# Altium PCB HIVE_BOARD_PCB ASCII REV Project_PCB_Rev.Project_SCH_Rev.PcbDoc (part 1 of 9) (continued)
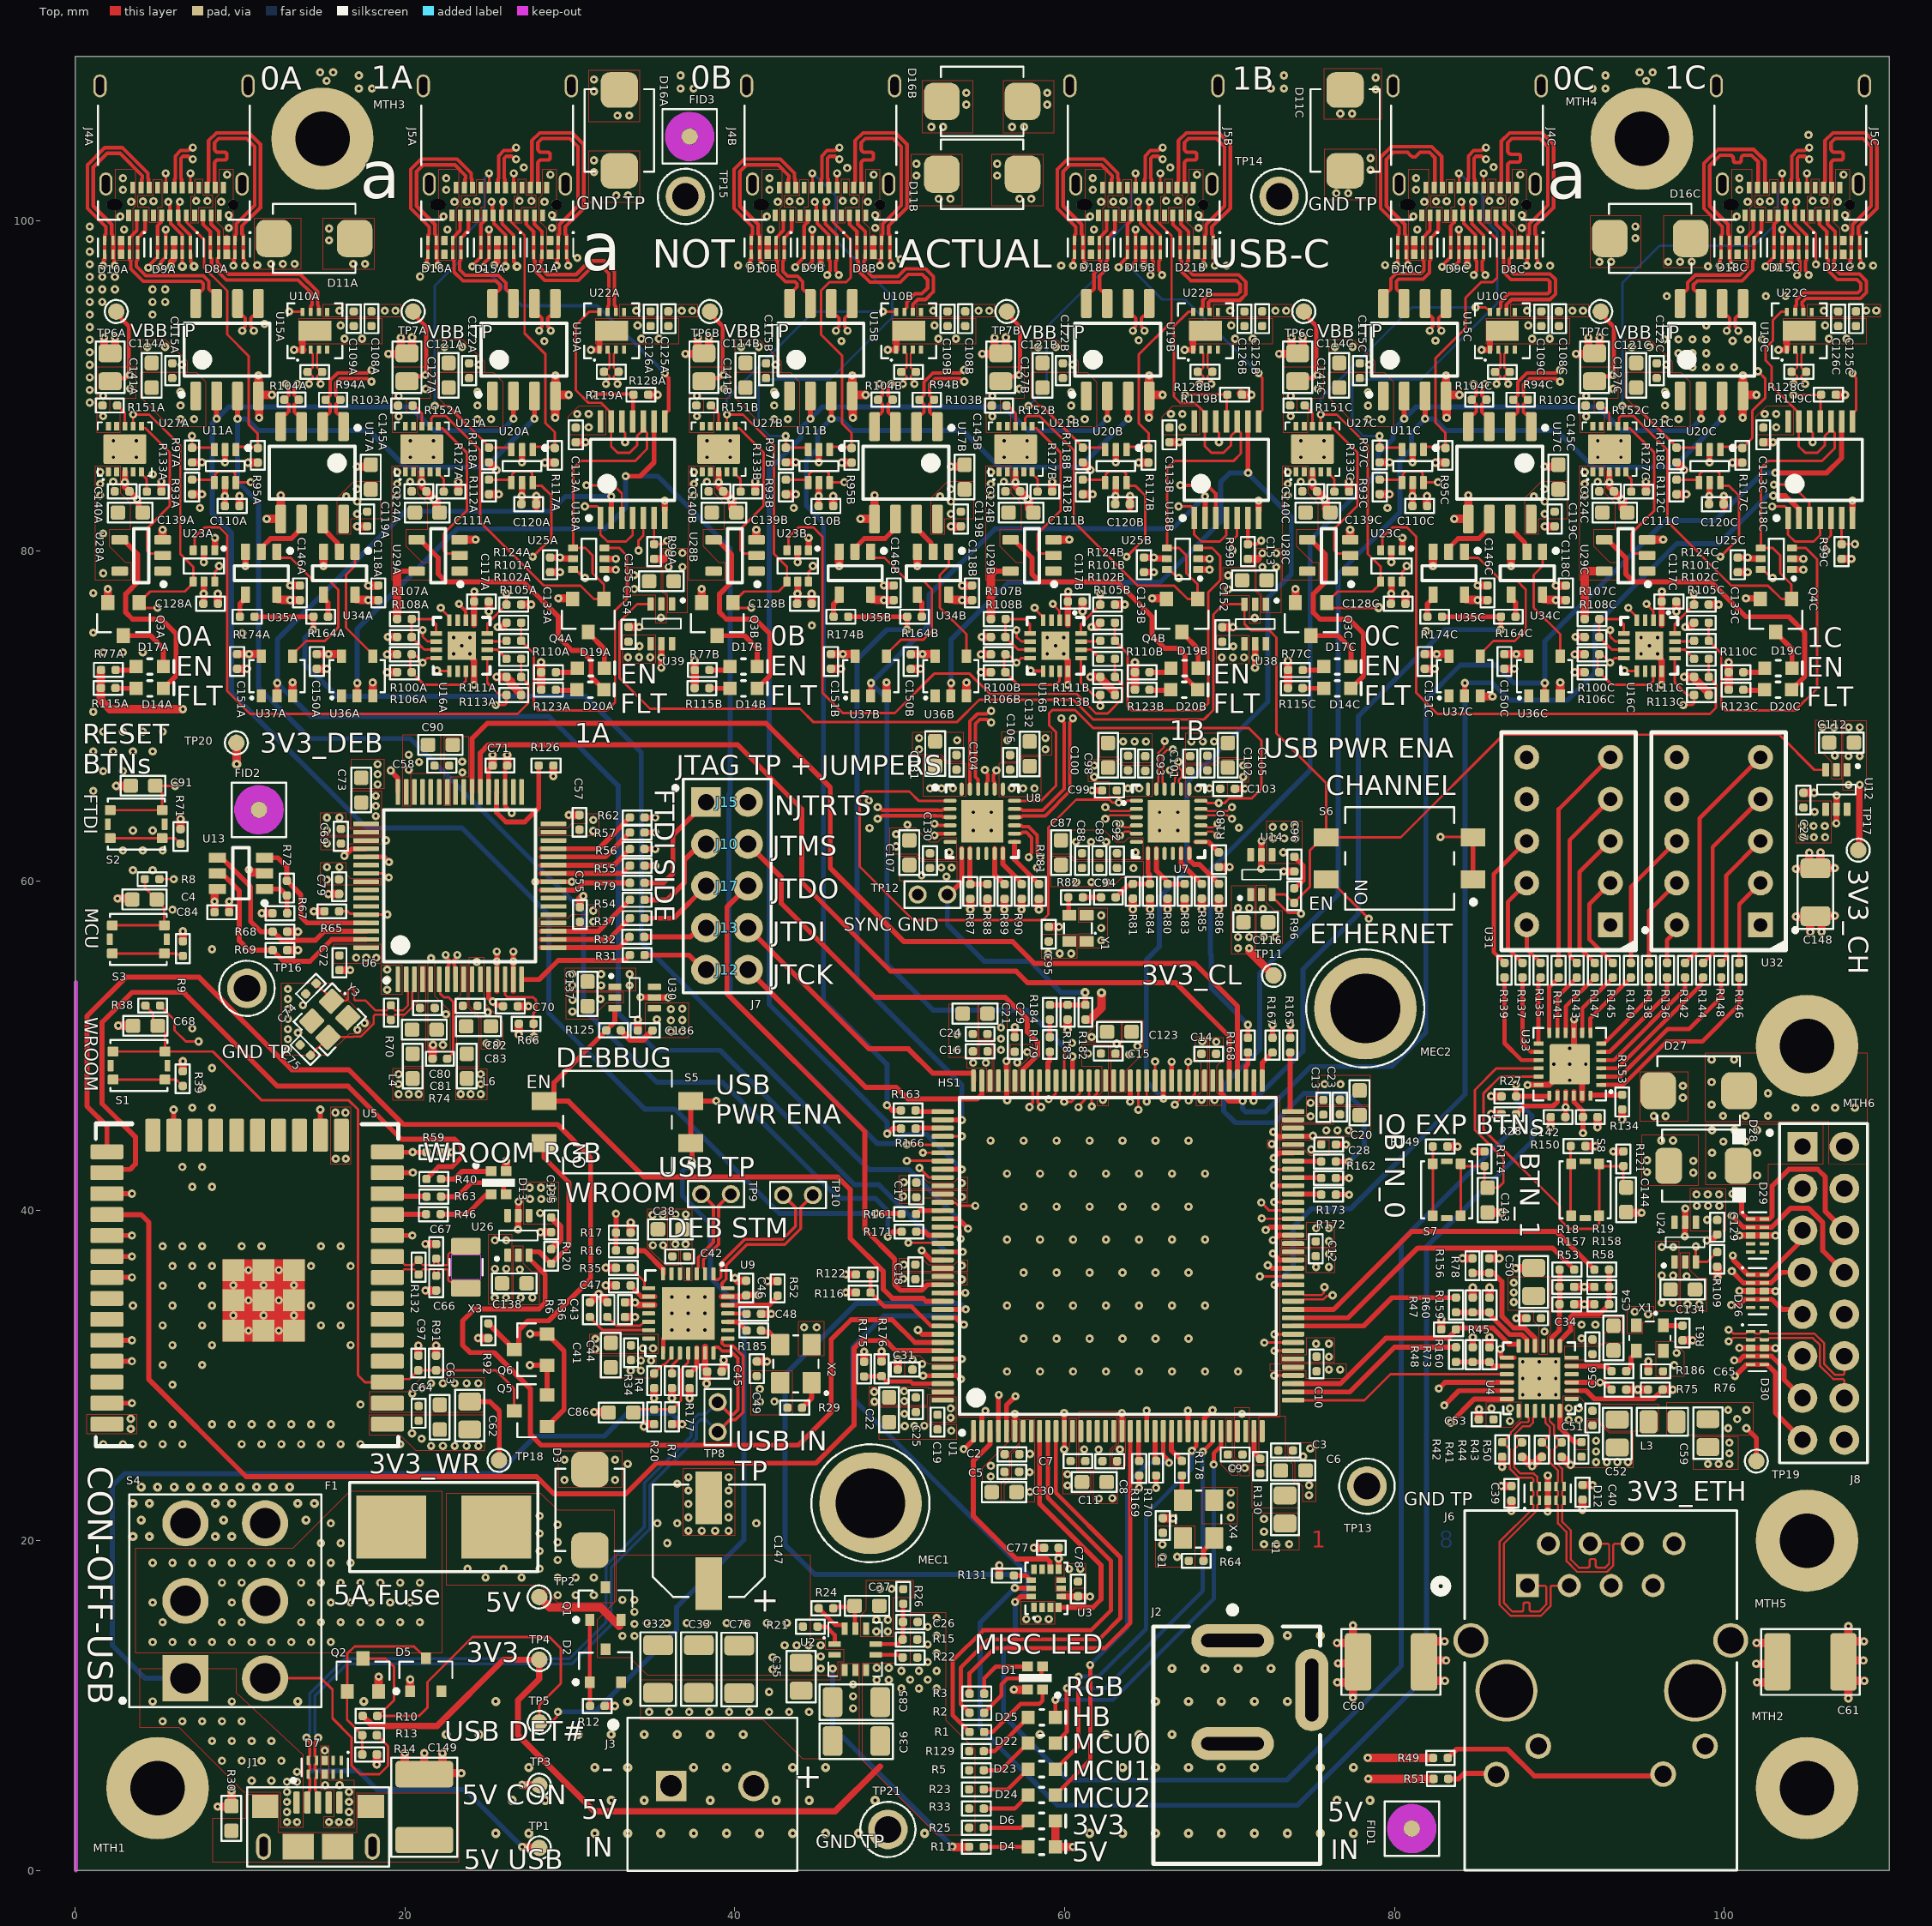
[diagram p0: Top view]
## Design rules (kind name [scope] priority, off if disabled: settings) (continued)
RoutingVias [All] p0: scope1count=1 scope1_0_kind=Board scope1_0_value=Board scope2count=1 scope2_0_kind=Board scope2_0_value=Board commentlength=0 holewidth=0.2 width=0.55 viastyle="Through Hole" minholewidth=0.2 minwidth=0.5 maxholewidth=6.5 maxwidth=7.5
RoutingVias [All] p1: holewidth=0.2 width=0.55 viastyle="Through Hole" minholewidth=0.2 minwidth=0.5 maxholewidth=6.5 maxwidth=7.5
ShortCircuit [All] p0: scope1count=1 scope1_0_kind=Board scope1_0_value=Board scope2count=1 scope2_0_kind=Board scope2_0_value=Board commentlength=0 allowed=FALSE
SilkToBoardRegionClearance [All] p0: scope1count=1 scope1_0_kind=Board scope1_0_value=Board scope2count=1 scope2_0_kind=Board scope2_0_value=Board commentlength=0
SilkToSilkClearance [All] p0: scope1count=1 scope1_0_kind=Board scope1_0_value=Board scope2count=1 scope2_0_kind=Board scope2_0_value=Board commentlength=0
SilkToSilkClearance [All] p1: silktosilkclearance=0.025
SilkToSolderMaskClearance [All] p0 off: scope1count=1 scope1_0_kind=Board scope1_0_value=Board scope2count=1 scope2_0_kind=Board scope2_0_value=Board commentlength=44 // Protel DXP Scope 1 Expression Was: IsPad
SilkToSolderMaskClearance [IsPad] p1: minsilkscreentomaskgap=0.025 clearancetoexposedcopper=FALSE
SolderMaskExpansion SolderMaskExpansion_VIA [All] p0 off: scope1count=1 scope1_0_kind=Board scope1_0_value=Board scope2count=1 scope2_0_kind=Board scope2_0_value=Board commentlength=44 expansion=0.102 // Protel DXP Scope 1 Expression Was: IsVia
SolderMaskExpansion [All] p0: scope1count=1 scope1_0_kind=Board scope1_0_value=Board scope2count=1 scope2_0_kind=Board scope2_0_value=Board commentlength=0 expansion=0.07
SolderMaskExpansion SolderMaskExpansion_VIA [IsVia] p1: expansion=0.102 istentingtop=TRUE
SolderMaskExpansion [All] p2: expansion=0.07 istentingtop=FALSE
UnRoutedNet [All] p0: scope1count=1 scope1_0_kind=Board scope1_0_value=Board scope2count=1 scope2_0_kind=Board scope2_0_value=Board commentlength=0
UnRoutedNet [All] p1: checkbadconnections=TRUE
UnpouredPolygon [All] p0: scope1count=1 scope1_0_kind=Board scope1_0_value=Board scope2count=1 scope2_0_kind=Board scope2_0_value=Board commentlength=0
Width Width_50_OHM [All] p0: scope1count=1 scope1_0_kind=NetClass scope1_0_value=SE_50 scope2count=1 scope2_0_kind=Board scope2_0_value=Board commentlength=0 maxlimit=0.305 minlimit=0.152 preferedwidth=0.305
Width [All] p0: scope1count=1 scope1_0_kind=Board scope1_0_value=Board scope2count=1 scope2_0_kind=Board scope2_0_value=Board commentlength=0 maxlimit=2.54 minlimit=0.102 preferedwidth=0.305
Width Width_50_OHM [InNetClass('SE_50')] p1: maxlimit=0.305 minlimit=0.152 preferedwidth=0.305 toplayer_minwidth=0.305 midlayer1_maxwidth=0.152 midlayer1_prefwidth=0.152 midlayer2_maxwidth=0.152 midlayer2_prefwidth=0.152 bottomlayer_minwidth=0.305 minimp=50.000000 maximp=50.000000 favimp=50.000000
Width [All] p2: maxlimit=2.54 minlimit=0.102 preferedwidth=0.305 midlayer1_prefwidth=0.152 midlayer2_prefwidth=0.152 minimp=50.000000 maximp=50.000000 favimp=50.000000
19 further rules are at their usual default settings.

## Classes and differential pairs
net class CLK_CHAN: BB_CLK_0A_N BB_CLK_0A_P BB_CLK_0B_N BB_CLK_0B_P BB_CLK_0C_N BB_CLK_0C_P BB_CLK_1A_N BB_CLK_1A_P BB_CLK_1B_N BB_CLK_1B_P BB_CLK_1C_N BB_CLK_1C_P
net class SYNC_FAN: SYNC_0A_N SYNC_0A_P SYNC_0B_N SYNC_0B_P SYNC_0C_N SYNC_0C_P SYNC_1A_N SYNC_1A_P SYNC_1B_N SYNC_1B_P SYNC_1C_N SYNC_1C_P
net class SE_50: FTDI_EECLK FTDI_EECS FTDI_EEDATA I2C_MISC_SCL I2C_MISC_SDA IMU_INT1 IMU_INT2 IO_EXP_INT# MEZ_I2C_SCL MEZ_I2C_SDA MEZ_SPI_MISO MEZ_SPI_MOSI MEZ_SPI_SCK MEZ_UART_Rx MEZ_UART_Tx MODE0 MODE1 MODE2 NetC94_1 NetC94_2 NetR18_2 NetR19_2 NetR45_1 NetR47_2 NetR48_2 NetR82_2 NetR165_1 NetR167_1 NetR169_1 NetR170_1 NetR178_1 NetR178_2 NetR179_1 NetR179_2 NetR182_1 NetR185_1 NetR185_2 NetR186_1 NetR186_2 NetU1_1 NetU1_22 NetU1_29 NetU1_67 NetU1_136 NetU1_138 NetU1_139 NetU5_34 NetU5_35 PHY_REFCLK SPI_CLK_A SPI_CLK_B SPI_CLK_C SPI_MISO_0B SPI_MISO_1A SPI_MISO_1C SPI_MISO_A SPI_MISO_B SPI_MISO_C SPI_MOSI_A SPI_MOSI_B SPI_MOSI_C SPI_nCS_0A SPI_nCS_0B SPI_nCS_0C SPI_nCS_1A SPI_nCS_1B SPI_nCS_1C
net class POWER: 3V3 3V3_CH 3V3_CL 3V3_DEB 3V3_ETH 3V3_WR 5V 5V_CONN 5V_USB GND NetD3_1 NetF1_1
net class POW_MCU: 3V3 VCAP VDDA
net class NETS_MCU: 3V3 5V CH_CL_PWR_EN CHAN_DET_0A CHAN_DET_0B CHAN_DET_0C CHAN_DET_1A CHAN_DET_1B CHAN_DET_1C CHAN_EN_0A CHAN_EN_0B CHAN_EN_0C CHAN_EN_1A CHAN_EN_1B CHAN_EN_1C CHAN_IRQ_0A CHAN_IRQ_0B CHAN_IRQ_0C CHAN_IRQ_1A CHAN_IRQ_1B CHAN_IRQ_1C CHAN_RESET_0A CHAN_RESET_0B CHAN_RESET_0C CHAN_RESET_1A CHAN_RESET_1B CHAN_RESET_1C CLK_OE_0# CLK_OE_1# DEB_PWR_EN ETH_PWR_EN GND I2C_MISC_SCL I2C_MISC_SDA IMU_INT1 IMU_INT2 IO_EXP_INT# MCU_LED_0 MCU_LED_1 MCU_LED_2 MCU_LED_B MCU_LED_G MCU_LED_HB MCU_LED_R MCU_OSC_EN MCU_RST# MEZ_ADC1_N MEZ_ADC1_P MEZ_I2C_SCL MEZ_I2C_SDA MEZ_SPI_MISO MEZ_SPI_MOSI MEZ_SPI_SCK MEZ_UART_Rx MEZ_UART_Tx NetC4_1 NetD1_1 NetD1_2 NetD1_4 NetD22_A NetD23_A NetD24_A NetD25_A NetJ7_2 NetJ7_4 NetJ7_6 NetJ7_8 NetJ7_10 NetR9_2 NetR16_2 NetR18_2 NetR19_2 NetR38_2 NetR45_1 NetR47_2 NetR48_2 NetR65_1 NetR116_2 NetR130_2 NetR161_2 NetR162_2 NetR163_1 NetR165_1 NetR165_2 NetR166_1 NetR167_1 NetR167_2 NetR168_2 NetR169_1 NetR169_2 NetR170_1 NetR170_2 NetR171_1 NetR172_1 NetR173_1 NetR175_1 NetR178_1 NetR178_2 NetR179_2 NetU1_1 NetU1_15 NetU1_22 NetU1_26 NetU1_29 NetU1_67 NetU1_76 NetU1_77 NetU1_136 NetU1_138 NetU1_139 PHY_nRST SPI_CLK_A SPI_CLK_B SPI_CLK_C SPI_MISO_A SPI_MISO_B SPI_MISO_C SPI_MOSI_A SPI_MOSI_B SPI_MOSI_C SPI_nCS_0A SPI_nCS_0B SPI_nCS_0C SPI_nCS_1A SPI_nCS_1B SPI_nCS_1C USB_PWR_DET# USB_STM_D_N USB_STM_D_P VCAP VDDA WR_PWR_EN
net class DIFF_90: USB_DEBUG_N USB_DEBUG_P
net class CLK_FAN: CLK_0A_N CLK_0A_P CLK_0B_N CLK_0B_P CLK_0C_N CLK_0C_P CLK_1A_N CLK_1A_P CLK_1B_N CLK_1B_P CLK_1C_N CLK_1C_P
net class CHAN_SIGNALS: CLK_0A_N CLK_0A_P CLK_0B_N CLK_0B_P CLK_0C_N CLK_0C_P CLK_1A_N CLK_1A_P CLK_1B_N CLK_1B_P CLK_1C_N CLK_1C_P SPI_CLK_A SPI_CLK_B SPI_CLK_C SPI_MISO_A SPI_MISO_B SPI_MISO_C SPI_MOSI_A SPI_MOSI_B SPI_MOSI_C SPI_nCS_0A SPI_nCS_0B SPI_nCS_0C SPI_nCS_1A SPI_nCS_1B SPI_nCS_1C SYNC_0A_N SYNC_0A_P SYNC_0B_N SYNC_0B_P SYNC_0C_N SYNC_0C_P SYNC_1A_N SYNC_1A_P SYNC_1B_N SYNC_1B_P SYNC_1C_N SYNC_1C_P
net class CHAN_A: CLK_0A_N CLK_0A_P CLK_0B_N CLK_0B_P CLK_0C_N CLK_0C_P CLK_1A_N CLK_1A_P CLK_1B_N CLK_1B_P CLK_1C_N CLK_1C_P SPI_CLK_A SPI_CLK_B SPI_CLK_C SPI_MISO_A SPI_MISO_B SPI_MISO_C SPI_MOSI_A SPI_MOSI_B SPI_MOSI_C SPI_nCS_0A SPI_nCS_0B SPI_nCS_0C SPI_nCS_1A SPI_nCS_1B SPI_nCS_1C SYNC_0A_N SYNC_0A_P SYNC_0B_N SYNC_0B_P SYNC_0C_N SYNC_0C_P SYNC_1A_N SYNC_1A_P SYNC_1B_N SYNC_1B_P SYNC_1C_N SYNC_1C_P
component class CHAN_1A: C2 C8 C43 C50 C96 C121A C122A C136 C147 D19A D20A Q1 R1 R23 R29 R41 R79 R91 R182 TP7A U2 U21A U22A U25A U26 U29A
component class CHAN_0A: C1 C7 C13 C19 C25 C37 C49 C62 C72 D14A D25 Q3A R4 R22 R34 R76 R88 R159 R169 TP3 U1 U7 U11A U23A U27A U31
component class "CHAN 0B + 1B": C108B C109B C110B C111B C113B C114B C115B C117B C118B C119B C120B C121B C122B C124B C125B C126B C127B C128B C133B C139B C140B C141B C145B C146B C150B C151B D8B D9B D10B D11B D14B D15B D16B D17B D18B D19B D20B D21B J4B J5B Q3B Q4B R77B R93B R94B R95B R97B R99B R100B R101B R102B R103B R104B R105B R106B R107B R108B R110B R111B R112B R113B R115B R117B R118B R119B R123B R124B R127B R128B R133B R151B R152B R154B R155B R164B R174B TP6B TP7B U10B U11B U15B U16B U17B U18B U19B U20B U21B U22B U23B U25B U27B U28B U29B U34B U35B U36B U37B
channel class HIVE_BOARD_CHANNEL_HW: "CHAN 0A + 1A" "CHAN 0B + 1B" "CHAN 0C + 1C"
component class WIRELESS: C62 C63 C64 C66 C67 C68 C97 D13 Q5 Q6 R38 R39 R40 R46 R59 R63 R91 R92 R132 S1 U5 X3
component class USB: C38 C41 C42 C43 C44 C45 C46 C47 C48 C49 C86 R4 R6 R7 R16 R17 R20 R29 R34 R35 R36 R52 R177 R185 TP8 TP9 TP10 U9 X2
component class TOP: C149 D7 J1 J2 J3 R30
component class POWER: C26 C27 C32 C33 C35 C36 C37 C76 C85 C96 C112 C116 C129 C134 C135 C136 C137 C138 C147 C152 C153 C154 C155 D2 D3 D4 D5 D6 F1 Q1 Q2 R10 R11 R12 R13 R14 R15 R21 R22 R24 R25 R26 R96 R109 R120 R125 S4 S5 S6 TP1 TP2 TP3 TP4 TP5 TP11 TP13 TP14 TP15 TP16 TP17 TP18 TP19 TP20 TP21 U2 U12 U14 U24 U26 U30 U38 U39
component class MISC: C77 C78 C142 C143 C144 C148 R27 R28 R114 R121 R131 R134 R135 R136 R137 R138 R139 R140 R141 R142 R143 R144 R145 R146 R147 R148 R149 R150 R153 S7 S8 U3 U31 U32 U33
component class MCU: C1 C2 C3 C4 C5 C6 C7 C8 C9 C10 C11 C12 C13 C14 C15 C16 C17 C18 C19 C20 C21 C22 C23 C24 C25 C28 C29 C30 C31 C123 D1 D22 D23 D24 D25 D26 D27 D28 D29 D30 HS1 J8 L1 MEC1 MEC2 MTH5 MTH6 R1 R2 R3 R5 R8 R9 R23 R33 R64 R116 R122 R129 R130 R161 R162 R163 R165 R166 R167 R168 R169 R170 R171 R172 R173 R175 R176 R178 S3 U1 X4
component class HIVE_BOARD_TITLE: FID1 FID2 FID3 MTH1 MTH2 MTH3 MTH4
component class ETHERNET: C34 C39 C40 C50 C51 C52 C53 C54 C56 C59 C60 C61 C65 D12 J6 L3 R18 R19 R41 R42 R43 R44 R45 R47 R48 R49 R50 R51 R53 R58 R60 R61 R73 R75 R76 R78 R156 R157 R158 R159 R160 R186 U4 X1
component class DEBUG: C55 C57 C58 C69 C70 C71 C72 C73 C74 C75 C79 C80 C81 C82 C83 C84 C90 C91 J7 J10 J12 J13 J15 J17 L4 L6 R31 R32 R37 R54 R55 R56 R57 R62 R65 R66 R67 R68 R69 R70 R71 R72 R74 R79 R126 S2 U6 U13 Y3
component class "CLOCK GENERATION": C87 C88 C89 C92 C93 C94 C95 C98 C99 C100 C101 C102 C103 C104 C105 C106 C107 C130 C131 C132 R80 R81 R82 R83 R84 R85 R86 R87 R88 R89 R90 R179 R180 R181 R182 R183 R184 TP12 U7 U8 Y1
component class "CHAN 0C + 1C": C108C C109C C110C C111C C113C C114C C115C C117C C118C C119C C120C C121C C122C C124C C125C C126C C127C C128C C133C C139C C140C C141C C145C C146C C150C C151C D8C D9C D10C D11C D14C D15C D16C D17C D18C D19C D20C D21C J4C J5C Q3C Q4C R77C R93C R94C R95C R97C R99C R100C R101C R102C R103C R104C R105C R106C R107C R108C R110C R111C R112C R113C R115C R117C R118C R119C R123C R124C R127C R128C R133C R151C R152C R154C R155C R164C R174C TP6C TP7C U10C U11C U15C U16C U17C U18C U19C U20C U21C U22C U23C U25C U27C U28C U29C U34C U35C U36C U37C
component class "CHAN 0A + 1A": C108A C109A C110A C111A C113A C114A C115A C117A C118A C119A C120A C121A C122A C124A C125A C126A C127A C128A C133A C139A C140A C141A C145A C146A C150A C151A D8A D9A D10A D11A D14A D15A D16A D17A D18A D19A D20A D21A J4A J5A Q3A Q4A R77A R93A R94A R95A R97A R99A R100A R101A R102A R103A R104A R105A R106A R107A R108A R110A R111A R112A R113A R115A R117A R118A R119A R123A R124A R127A R128A R133A R151A R152A R154A R155A R164A R174A TP6A TP7A U10A U11A U15A U16A U17A U18A U19A U20A U21A U22A U23A U25A U27A U28A U29A U34A U35A U36A U37A
differential pair 12M_X: +12M_X_P -12M_X_N
differential pair MEZ_ADC1: +MEZ_ADC1_P -MEZ_ADC1_N
differential pair USB_STM_D: +USB_STM_D_P -USB_STM_D_N
differential pair USB_D: +USB_D_P -USB_D_N
differential pair USB_DEBUG: +USB_DEBUG_P -USB_DEBUG_N
differential pair SYNC_1C: +SYNC_1C_P -SYNC_1C_N
differential pair SYNC_1B: +SYNC_1B_P -SYNC_1B_N
differential pair SYNC_1A: +SYNC_1A_P -SYNC_1A_N
differential pair SYNC_0C: +SYNC_0C_P -SYNC_0C_N
differential pair SYNC_0B: +SYNC_0B_P -SYNC_0B_N
differential pair SYNC_0A: +SYNC_0A_P -SYNC_0A_N
differential pair ETH_TX: +ETH_TX_P -ETH_TX_N
differential pair ETH_RX: +ETH_RX_P -ETH_RX_N
differential pair CLK_1C: +CLK_1C_P -CLK_1C_N
differential pair CLK_1B: +CLK_1B_P -CLK_1B_N
differential pair CLK_1A: +CLK_1A_P -CLK_1A_N
differential pair CLK_0C: +CLK_0C_P -CLK_0C_N
differential pair CLK_0B: +CLK_0B_P -CLK_0B_N
differential pair CLK_0A: +CLK_0A_P -CLK_0A_N
differential pair BB_SPI_MOSI_1C: +BB_SPI_MOSI_1B_P -BB_SPI_MOSI_1B_N
differential pair BB_SPI_MOSI_1B: +BB_SPI_MOSI_1C_P -BB_SPI_MOSI_1C_N
differential pair BB_SPI_MOSI_1A: +BB_SPI_MOSI_1A_P -BB_SPI_MOSI_1A_N
differential pair BB_SPI_MOSI_0C: +BB_SPI_MOSI_0B_P -BB_SPI_MOSI_0B_N
differential pair BB_SPI_MOSI_0B: +BB_SPI_MOSI_0C_P -BB_SPI_MOSI_0C_N
differential pair BB_SPI_MOSI_0A: +BB_SPI_MOSI_0A_P -BB_SPI_MOSI_0A_N
differential pair BB_SPI_MISO_1C: +BB_SPI_MISO_1B_P -BB_SPI_MISO_1B_N
differential pair BB_SPI_MISO_1B: +BB_SPI_MISO_1C_P -BB_SPI_MISO_1C_N
differential pair BB_SPI_MISO_1A: +BB_SPI_MISO_1A_P -BB_SPI_MISO_1A_N
differential pair BB_SPI_MISO_0C: +BB_SPI_MISO_0B_P -BB_SPI_MISO_0B_N
differential pair BB_SPI_MISO_0B: +BB_SPI_MISO_0C_P -BB_SPI_MISO_0C_N
differential pair BB_SPI_MISO_0A: +BB_SPI_MISO_0A_P -BB_SPI_MISO_0A_N
differential pair BB_SPI_CLK_1C: +BB_SPI_CLK_1B_P -BB_SPI_CLK_1B_N
differential pair BB_SPI_CLK_1B: +BB_SPI_CLK_1C_P -BB_SPI_CLK_1C_N
differential pair BB_SPI_CLK_1A: +BB_SPI_CLK_1A_P -BB_SPI_CLK_1A_N
differential pair BB_SPI_CLK_0C: +BB_SPI_CLK_0B_P -BB_SPI_CLK_0B_N
differential pair BB_SPI_CLK_0B: +BB_SPI_CLK_0C_P -BB_SPI_CLK_0C_N
differential pair BB_SPI_CLK_0A: +BB_SPI_CLK_0A_P -BB_SPI_CLK_0A_N
differential pair BB_CLK_1C: +BB_CLK_1B_P -BB_CLK_1B_N
differential pair BB_CLK_1B: +BB_CLK_1C_P -BB_CLK_1C_N
differential pair BB_CLK_1A: +BB_CLK_1A_P -BB_CLK_1A_N
differential pair BB_CLK_0C: +BB_CLK_0B_P -BB_CLK_0B_N
differential pair BB_CLK_0B: +BB_CLK_0C_P -BB_CLK_0C_N
differential pair BB_CLK_0A: +BB_CLK_0A_P -BB_CLK_0A_N
differential pair " ": +32K_X_P -32K_X_N

## Components (designator, comment, footprint, x,y, rotation, side; value= is the part's Value field where it differs from the comment)
C1 "CGA2B3X7R1E104K050BB" CAP_CER_0402 65.946,20.919 r270 top
C2 "CGA2B3X7R1E104K050BB" CAP_CER_0402 56.806,25.237 r180 top
C3 "CGA2B3X7R1E104K050BB" CAP_CER_0402 73.393,25.468 r180 top
C4 "C0603C105K8PACTU" CAP_CER_0603 4.21,58.871 r180 top
C5 "CGA2B3X7R1E104K050BB" CAP_CER_0402 56.793,24.171 r0 top
C6 "C0603C105K8PACTU" CAP_CER_0603 73.85,24.249 r0 top
C7 "CGA2B3X7R1E104K050BB" CAP_CER_0402 60.805,24.825 r0 top
C8 "CGA2B3X7R1E104K050BB" CAP_CER_0402 62.732,24.821 r180 top
C9 "CGA2B3X7R1E104K050BB" CAP_CER_0402 70.333,25.222 r0 top
C10 "CGA2B3X7R1E104K050BB" CAP_CER_0402 75.27,30.713 r270 top
C11 "CL10A475MA8NQNC" CAP_CER_0603 61.796,23.551 r180 top
C12 "CGA2B3X7R1E104K050BB" CAP_CER_0402 75.22,37.696 r270 top
C13 "CGA2B3X7R1E104K050BB" CAP_CER_0402 75.682,46.272 r90 top
C14 "CGA2B3X7R1E104K050BB" CAP_CER_0402 68.73,49.514 r180 top
C15 "CGA2B3X7R1E104K050BB" CAP_CER_0402 62.636,49.53 r0 top
C16 "CGA2B3X7R1E104K050BB" CAP_CER_0402 54.879,49.664 r180 top
C17 "CGA2B3X7R1E104K050BB" CAP_CER_0402 51.003,41.262 r90 top
C18 "CGA2B3X7R1E104K050BB" CAP_CER_0402 50.945,36.295 r90 top
C19 "CGA2B3X7R1E104K050BB" CAP_CER_0402 52.29,27.191 r270 top
C20 "CL10A475MA8NQNC" CAP_CER_0603 77.878,46.545 r270 top
C21 "CL10A475MA8NQNC" CAP_CER_0603 54.567,51.955 r0 top
C22 "CL10A475MA8NQNC" CAP_CER_0603 49.352,27.94 r90 top
C23 "CGA2B3X7R1E104K050BB" CAP_CER_0402 76.69,46.286 r270 top
C24 "CGA2B3X7R1E104K050BB" CAP_CER_0402 54.874,50.715 r0 top
C25 "CGA2B3X7R1E104K050BB" CAP_CER_0402 50.977,28.24 r90 top
C26 "CL05C390JB51PNC" CAP_CER_0402 50.641,15.071 r0 top
C27 "CGA2B3X7R1E104K050BB" CAP_CER_0402 104.79,64.895 r90 top
C28 "C1005X5R1V225K050BC" CAP_CER_0402 76.001,44.017 r180 top
C29 "C1005X5R1V225K050BC" CAP_CER_0402 56.972,50.083 r270 top
C30 "C0603C105K8PACTU" CAP_CER_0603 56.329,22.944 r180 top
C31 "C1005X5R1V225K050BC" CAP_CER_0402 50.324,30.372 r0 top
C32 "CL31A226KAHNNNE" CAP_CER_1206 35.354,12.22 r90 top
C33 "CL31A226KAHNNNE" CAP_CER_1206 37.818,12.22 r90 top
C34 "CGA2B3X7R1E104K050BB" CAP_CER_0402 88.436,33.482 r0 top
C35 "LMK212BJ106KG-T" CAP_CER_0805 44.023,11.757 r90 top
C36 "CL31A226KAHNNNE" CAP_CER_1206 47.371,7.847 r0 top
C37 "C0603C105K8PACTU" CAP_CER_0603 48.013,16.052 r0 top
C38 "C0603C105K8PACTU" CAP_CER_0603 36.088,38.877 r180 top
C39 "CGA2B3X7R1E104K050BB" CAP_CER_0402 87.086,22.864 r90 top
C40 "CGA2B3X7R1E104K050BB" CAP_CER_0402 91.396,22.934 r90 top
C41 "CL10A475KP8NNNC" CAP_CER_0603 32.479,31.251 r90 top
C42 "CGA2B3X7R1E104K050BB" CAP_CER_0402 36.658,37.232 r0 top
C43 "CGA2B3X7R1E104K050BB" CAP_CER_0402 33.337,34.003 r90 top
C44 "CGA2B3X7R1E104K050BB" CAP_CER_0402 33.706,31.396 r90 top
C45 "CGA2B3X7R1E104K050BB" CAP_CER_0402 38.758,30.251 r180 top
C46 "CGA2B3X7R1E104K050BB" CAP_CER_0402 40.686,35.318 r270 top
C47 "CGA2B3X7R1E104K050BB" CAP_CER_0402 33.238,35.473 r0 top
C48 "CGA2B3X7R1E104K050BB" CAP_CER_0402 41.152,33.746 r180 top
C49 "CGA2B3X7R1E104K050BB" CAP_CER_0402 41.334,30.422 r270 top
C50 "LMK212BJ106KG-T" CAP_CER_0805 88.437,35.682 r270 top
C51 "CGA2B3X7R1E104K050BB" CAP_CER_0402 91.999,27.432 r270 top
C52 "LMK212BJ106KG-T" CAP_CER_0805 93.497,26.492 r270 top
C53 "CGA2B3X7R1E104K050BB" CAP_CER_0402 85.555,27.351 r180 top
C54 "C0603C105K8PACTU" CAP_CER_0603 93.269,32.283 r270 top
C55 "CGA2B3X7R1E104K050BB" CAP_CER_0402 30.607,57.963 r90 top
C56 "CC0402KRX7R9BB471" CAP_CER_0402 91.999,31.75 r270 top
C57 "CGA2B3X7R1E104K050BB" CAP_CER_0402 30.582,63.551 r90 top
C58 "CGA2B3X7R1E104K050BB" CAP_CER_0402 22.24,66.988 r180 top
C59 "LMK212BJ106KG-T" CAP_CER_0805 99.003,26.524 r90 top
C60 "885342211009" CAP_CER_1812 79.781,12.649 r180 top
C61 "885342211009" CAP_CER_1812 105.213,12.649 r0 top
C62 "LMK212BJ106KG-T" CAP_CER_0805 23.926,27.582 r90 top
C63 "C0603C105K8PACTU" CAP_CER_0603 22.114,27.484 r270 top
C64 "CGA2B3X7R1E104K050BB" CAP_CER_0402 20.831,27.718 r90 top
C65 "CGA2B3X7R1E104K050BB" CAP_CER_0402 95.83,30.266 r180 top
C66 "CC0402DRNPO9BN8R0" CAP_CER_0402 21.895,35.612 r90 top
C67 "CC0402DRNPO9BN8R0" CAP_CER_0402 21.895,37.542 r270 top
C68 "C0603C105K8PACTU" CAP_CER_0603 4.262,51.215 r180 top
C69 "CGA2B3X7R1E104K050BB" CAP_CER_0402 16.121,62.706 r270 top
C70 "CGA2B3X7R1E104K050BB" CAP_CER_0402 26.391,52.4 r0 top
C71 "CGA2B3X7R1E104K050BB" CAP_CER_0402 25.758,66.991 r0 top
C72 "CGA2B3X7R1E104K050BB" CAP_CER_0402 16.027,55.037 r270 top
C73 "C1608X5R1C335K080AC" CAP_CER_0603 17.354,65.503 r270 top
C74 "CC0402JRNPO9BN120" CAP_CER_0402 14.301,53.466 r45 top
C75 "CC0402JRNPO9BN120" CAP_CER_0402 13.96,49.743 r315 top
C76 "CL31A226KAHNNNE" CAP_CER_1206 40.266,12.196 r90 top
C77 "CGA2B3X7R1E104K050BB" CAP_CER_0402 59.19,19.563 r180 top
C78 "CGA2B3X7R1E104K050BB" CAP_CER_0402 60.805,17.074 r90 top
C79 "CGA2B3X7R1E104K050BB" CAP_CER_0402 16.005,59.647 r270 top
C80 "CGA2B3X7R1E104K050BB" CAP_CER_0402 21.361,52.299 r0 top
C81 "CL10A475MA8NQNC" CAP_CER_0603 21.176,50.981 r180 top
C82 "CGA2B3X7R1E104K050BB" CAP_CER_0402 23.952,52.426 r0 top
C83 "CL10A475MA8NQNC" CAP_CER_0603 24.46,51.181 r180 top
C84 "CGA2B3X7R1E104K050BB" CAP_CER_0402 8.901,58.098 r0 top
C85 "CL31A226KAHNNNE" CAP_CER_1206 47.371,10.211 r0 top
C86 "C0603C105K8PACTU" CAP_CER_0603 33.095,27.765 r180 top
C87 "C0603C105K8PACTU" CAP_CER_0603 59.776,61.712 r270 top
C88 "GRM155R71E473KA88J" CAP_CER_0402 61.05,61.229 r90 top
C89 "GRM155R71E473KA88J" CAP_CER_0402 62.108,61.229 r90 top
C90 "C0603C105K8PACTU" CAP_CER_0603 22.149,68.25 r180 top
C91 "C0603C105K8PACTU" CAP_CER_0603 4.117,65.772 r180 top
C92 "CL05B472KB5VPNC" CAP_CER_0402 63.172,61.229 r90 top
C93 "CL05B472KB5VPNC" CAP_CER_0402 64.885,67.116 r270 top
C94 "CGA2B3X7R1E104K050BB" CAP_CER_0402 62.645,59.003 r180 top
C95 "CGA2B3X7R1E104K050BB" CAP_CER_0402 59.035,56.769 r270 top
C96 "CGA2B3X7R1E104K050BB" CAP_CER_0402 73.923,61.016 r270 top
C97 "CGA2B3X7R1E104K050BB" CAP_CER_0402 20.812,30.771 r270 top
C98 "GRM155R71E473KA88J" CAP_CER_0402 63.839,67.141 r270 top
C99 "GRM155R71E473KA88J" CAP_CER_0402 62.713,65.481 r0 top
C100 "C0603C105K8PACTU" CAP_CER_0603 62.625,67.616 r90 top
C101 "CL05B472KB5VPNC" CAP_CER_0402 67.607,67.116 r270 top
C102 "GRM155R71E473KA88J" CAP_CER_0402 68.649,67.141 r270 top
C103 "GRM155R71E473KA88J" CAP_CER_0402 69.875,65.583 r180 top
C104 "CGA2B3X7R1E104K050BB" CAP_CER_0402 53.439,67.19 r270 top
C105 "C0603C105K8PACTU" CAP_CER_0603 69.895,67.616 r90 top
C106 "CGA2B3X7R1E104K050BB" CAP_CER_0402 56.689,67.19 r270 top
C107 "C0603C105K8PACTU" CAP_CER_0603 50.582,61.712 r270 top
C108A "GRM155R71E473KA88J" CAP_CER_0402 17.969,94.084 r90 top (schematic designator C108)
C108B "GRM155R71E473KA88J" CAP_CER_0402 53.969,94.084 r90 top (schematic designator C108)
C108C "GRM155R71E473KA88J" CAP_CER_0402 89.969,94.084 r90 top (schematic designator C108)
C109A "CL05B472KB5VPNC" CAP_CER_0402 16.896,94.082 r90 top (schematic designator C109)
C109B "CL05B472KB5VPNC" CAP_CER_0402 52.896,94.082 r90 top (schematic designator C109)
C109C "CL05B472KB5VPNC" CAP_CER_0402 88.896,94.082 r90 top (schematic designator C109)
C110A "CGA2B3X7R1E104K050BB" CAP_CER_0402 9.525,82.728 r0 top (schematic designator C110)
C110B "CGA2B3X7R1E104K050BB" CAP_CER_0402 45.525,82.728 r0 top (schematic designator C110)
C110C "CGA2B3X7R1E104K050BB" CAP_CER_0402 81.525,82.728 r0 top (schematic designator C110)
C111A "CL10A475KP8NNNC" CAP_CER_0603 21.348,82.334 r0 top (schematic designator C111)
C111B "CL10A475KP8NNNC" CAP_CER_0603 57.348,82.334 r0 top (schematic designator C111)
C111C "CL10A475KP8NNNC" CAP_CER_0603 93.348,82.334 r0 top (schematic designator C111)
C112 "CL10A475KP8NNNC" CAP_CER_0603 107.093,68.383 r180 top
C113A "CGA2B3X7R1E104K050BB" CAP_CER_0402 30.355,87.039 r90 top (schematic designator C113)
C113B "CGA2B3X7R1E104K050BB" CAP_CER_0402 66.355,87.039 r90 top (schematic designator C113)
C113C "CGA2B3X7R1E104K050BB" CAP_CER_0402 102.355,87.039 r90 top (schematic designator C113)
C114A "CL10A475KP8NNNC" CAP_CER_0603 4.648,90.653 r90 top (schematic designator C114)
C114B "CL10A475KP8NNNC" CAP_CER_0603 40.648,90.653 r90 top (schematic designator C114)
C114C "CL10A475KP8NNNC" CAP_CER_0603 76.648,90.653 r90 top (schematic designator C114)
C115A "JMK105B7474KVHF" CAP_CER_0402 5.893,90.932 r90 top (schematic designator C115)
C115B "JMK105B7474KVHF" CAP_CER_0402 41.893,90.932 r90 top (schematic designator C115)
C115C "JMK105B7474KVHF" CAP_CER_0402 77.893,90.932 r90 top (schematic designator C115)
C116 "CL10A475KP8NNNC" CAP_CER_0603 71.582,57.493 r0 top
C117A "CGA2B3X7R1E104K050BB" CAP_CER_0402 24.637,76.939 r180 top (schematic designator C117)
C117B "CGA2B3X7R1E104K050BB" CAP_CER_0402 60.637,76.939 r180 top (schematic designator C117)
C117C "CGA2B3X7R1E104K050BB" CAP_CER_0402 96.637,76.939 r180 top (schematic designator C117)
C118A "JMK105B7474KVHF" CAP_CER_0402 18.385,77.464 r90 top (schematic designator C118)
C118B "JMK105B7474KVHF" CAP_CER_0402 54.385,77.464 r90 top (schematic designator C118)
C118C "JMK105B7474KVHF" CAP_CER_0402 90.385,77.464 r90 top (schematic designator C118)
C119A "JMK105B7474KVHF" CAP_CER_0402 17.707,81.942 r270 top (schematic designator C119)
C119B "JMK105B7474KVHF" CAP_CER_0402 53.707,81.942 r270 top (schematic designator C119)
C119C "JMK105B7474KVHF" CAP_CER_0402 89.707,81.942 r270 top (schematic designator C119)
C120A "CGA2B3X7R1E104K050BB" CAP_CER_0402 27.506,82.842 r0 top (schematic designator C120)
C120B "CGA2B3X7R1E104K050BB" CAP_CER_0402 63.506,82.842 r0 top (schematic designator C120)
C120C "CGA2B3X7R1E104K050BB" CAP_CER_0402 99.506,82.842 r0 top (schematic designator C120)
C121A "CL10A475KP8NNNC" CAP_CER_0603 22.649,90.653 r90 top (schematic designator C121)
C121B "CL10A475KP8NNNC" CAP_CER_0603 58.649,90.653 r90 top (schematic designator C121)
C121C "CL10A475KP8NNNC" CAP_CER_0603 94.649,90.653 r90 top (schematic designator C121)
C122A "JMK105B7474KVHF" CAP_CER_0402 23.893,90.932 r90 top (schematic designator C122)
C122B "JMK105B7474KVHF" CAP_CER_0402 59.893,90.932 r90 top (schematic designator C122)
C122C "JMK105B7474KVHF" CAP_CER_0402 95.893,90.932 r90 top (schematic designator C122)
C123 "CL10A475MA8NQNC" CAP_CER_0603 63.309,50.851 r0 top
C124A "CGA2B3X7R1E104K050BB" CAP_CER_0402 20.852,83.617 r180 top (schematic designator C124)
C124B "CGA2B3X7R1E104K050BB" CAP_CER_0402 56.852,83.617 r180 top (schematic designator C124)
C124C "CGA2B3X7R1E104K050BB" CAP_CER_0402 92.852,83.617 r180 top (schematic designator C124)
C125A "GRM155R71E473KA88J" CAP_CER_0402 35.969,94.084 r90 top (schematic designator C125)
C125B "GRM155R71E473KA88J" CAP_CER_0402 71.969,94.084 r90 top (schematic designator C125)
C125C "GRM155R71E473KA88J" CAP_CER_0402 107.969,94.084 r90 top (schematic designator C125)
C126A "CL05B472KB5VPNC" CAP_CER_0402 34.896,94.082 r90 top (schematic designator C126)
C126B "CL05B472KB5VPNC" CAP_CER_0402 70.896,94.082 r90 top (schematic designator C126)
C126C "CL05B472KB5VPNC" CAP_CER_0402 106.896,94.082 r90 top (schematic designator C126)
C127A "LMK212BJ106KG-T" CAP_CER_0805 20.125,91.136 r270 top (schematic designator C127)
C127B "LMK212BJ106KG-T" CAP_CER_0805 56.125,91.136 r270 top (schematic designator C127)
C127C "LMK212BJ106KG-T" CAP_CER_0805 92.125,91.136 r270 top (schematic designator C127)
C128A "CGA2B3X7R1E104K050BB" CAP_CER_0402 8.219,76.802 r180 top (schematic designator C128)
C128B "CGA2B3X7R1E104K050BB" CAP_CER_0402 44.219,76.802 r180 top (schematic designator C128)
C128C "CGA2B3X7R1E104K050BB" CAP_CER_0402 80.219,76.802 r180 top (schematic designator C128)
C129 "CGA2B3X7R1E104K050BB" CAP_CER_0402 99.56,39 r270 top
C130 "CGA2B3X7R1E104K050BB" CAP_CER_0402 51.832,61.229 r90 top
C131 "C0603C105K8PACTU" CAP_CER_0603 52.146,67.716 r90 top
C132 "C0603C105K8PACTU" CAP_CER_0603 57.878,67.704 r90 top
C133A "CGA2B3X7R1E104K050BB" CAP_CER_0402 28.807,79.161 r90 top (schematic designator C133)
C133B "CGA2B3X7R1E104K050BB" CAP_CER_0402 64.807,79.161 r90 top (schematic designator C133)
C133C "CGA2B3X7R1E104K050BB" CAP_CER_0402 100.807,79.161 r90 top (schematic designator C133)
C134 "CL10A475KP8NNNC" CAP_CER_0603 97.469,35.227 r0 top
C135 "CGA2B3X7R1E104K050BB" CAP_CER_0402 28.87,39.147 r270 top
C136 "CGA2B3X7R1E104K050BB" CAP_CER_0402 34.563,50.933 r180 top
C137 "CL10A475KP8NNNC" CAP_CER_0603 31.071,53.15 r270 top
C138 "CL10A475KP8NNNC" CAP_CER_0603 26.629,35.601 r0 top
C139A "CL10A475KP8NNNC" CAP_CER_0603 3.348,82.334 r0 top (schematic designator C139)
C139B "CL10A475KP8NNNC" CAP_CER_0603 39.348,82.334 r0 top (schematic designator C139)
C139C "CL10A475KP8NNNC" CAP_CER_0603 75.348,82.334 r0 top (schematic designator C139)
C140A "CGA2B3X7R1E104K050BB" CAP_CER_0402 2.852,83.617 r180 top (schematic designator C140)
C140B "CGA2B3X7R1E104K050BB" CAP_CER_0402 38.852,83.617 r180 top (schematic designator C140)
C140C "CGA2B3X7R1E104K050BB" CAP_CER_0402 74.852,83.617 r180 top (schematic designator C140)
C141A "LMK212BJ106KG-T" CAP_CER_0805 2.125,91.136 r270 top (schematic designator C141)
C141B "LMK212BJ106KG-T" CAP_CER_0805 38.125,91.136 r270 top (schematic designator C141)
C141C "LMK212BJ106KG-T" CAP_CER_0805 74.125,91.136 r270 top (schematic designator C141)
C142 "CGA2B3X7R1E104K050BB" CAP_CER_0402 89.909,45.681 r180 top
C143 "C0603C105K8PACTU" CAP_CER_0603 85.637,40.649 r270 top
C144 "C0603C105K8PACTU" CAP_CER_0603 94.041,40.666 r270 top
C145A "CL10A475KP8NNNC" CAP_CER_0603 17.932,84.485 r90 top (schematic designator C145)
C145B "CL10A475KP8NNNC" CAP_CER_0603 53.932,84.485 r90 top (schematic designator C145)
C145C "CL10A475KP8NNNC" CAP_CER_0603 89.932,84.485 r90 top (schematic designator C145)
C146A "JMK105B7474KVHF" CAP_CER_0402 13.635,77.464 r90 top (schematic designator C146)
C146B "JMK105B7474KVHF" CAP_CER_0402 49.635,77.464 r90 top (schematic designator C146)
C146C "JMK105B7474KVHF" CAP_CER_0402 85.635,77.464 r90 top (schematic designator C146)
C147 "APXG160ARA221MF80G" CAP_POLY_APXG160ARA221MF80G 38.417,19.991 r90 top
C148 "CL31A226KAHNNNE" CAP_CER_1206 105.516,59.311 r90 top
C149 "885342211009" CAP_CER_1812 21.177,3.846 r270 top
C150A "CGA2B3X7R1E104K050BB" CAP_CER_0402 14.656,73.304 r270 top (schematic designator C150)
C150B "CGA2B3X7R1E104K050BB" CAP_CER_0402 50.666,73.292 r270 top (schematic designator C150)
C150C "CGA2B3X7R1E104K050BB" CAP_CER_0402 86.656,73.304 r270 top (schematic designator C150)
C151A "CGA2B3X7R1E104K050BB" CAP_CER_0402 9.83,73.304 r270 top (schematic designator C151)
C151B "CGA2B3X7R1E104K050BB" CAP_CER_0402 45.83,73.304 r270 top (schematic designator C151)
C151C "CGA2B3X7R1E104K050BB" CAP_CER_0402 81.83,73.304 r270 top (schematic designator C151)
C152 "CGA2B3X7R1E104K050BB" CAP_CER_0402 69.553,74.935 r90 top
C153 "CL10A475KP8NNNC" CAP_CER_0603 71.499,78.227 r180 top
C154 "CGA2B3X7R1E104K050BB" CAP_CER_0402 33.553,74.946 r90 top
C155 "CL10A475KP8NNNC" CAP_CER_0603 35.546,78.164 r180 top
D1 "EAST1616RGBA3" DIO_EAST1616RGBA3 58.206,11.673 r270 top
D2 "BZX84-B4V3,215" DIO_ZENER_BZX84-B4V3,215 32.156,12.417 r90 top
D3 "SMBJ5.0CA" TVS_PWR_SMBJ5.0CA 31.217,21.869 r90 top
D4 "SML-D12P8WT86" LED_SML-D12P8WT86 58.608,1.435 r180 top
D5 "BZX84-B4V3,215" DIO_ZENER_BZX84-B4V3,215 21.272,11.868 r90 top
D6 "SML-D12P8WT86" LED_SML-D12P8WT86 58.608,3.006 r180 top
D7 "DT1140-04LP-7" TVS_DATA_DT1140-04LP-7 15.146,6.259 r270 top